# KiCad board ddr5-testboard.kicad_pcb (continued)
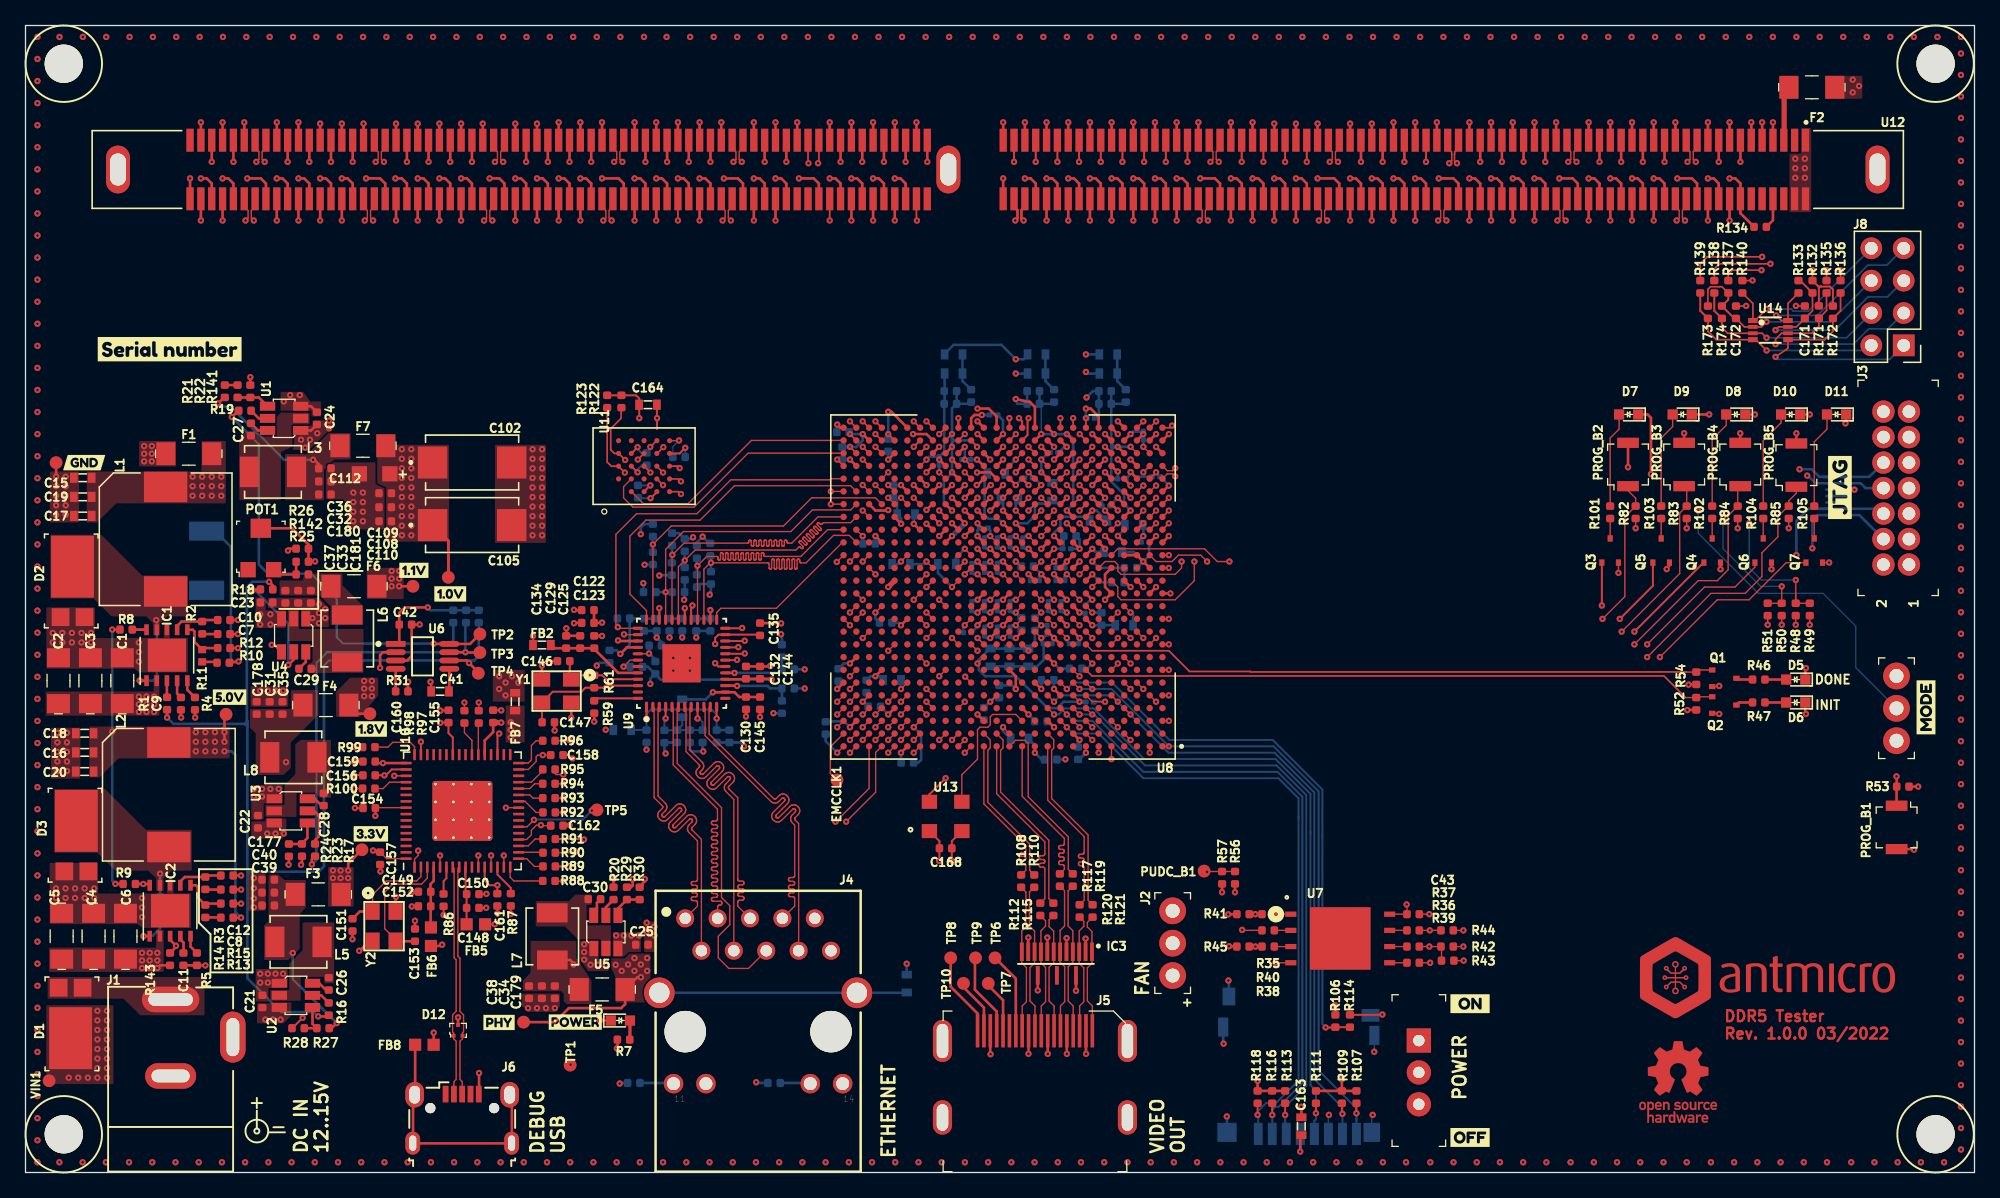
[diagram p0: board, top side]
## Routing (per net, layer and track width the routed paths; a pad name or vN(x,y) marks a point on that pad's centre or on a via; arc(x,y) is an arc through that point) (continued)
DQS1_B_N: length 61.5
  Top w0.1: v1(36.8,79.3) 37,79.5 37,80.09 36.7,80.38 U12.116
  Top w0.2: U8.Y16 v1(74.64,52.94)
  In7.Cu w0.102: v1(74.64,52.94) 75.02,53.33 75.02,57.82 64.2,68.64 37.95,68.64 37.01,69.58 37.01,76.26 37.01,76.29 37,76.32 36.98,76.34 36.96,76.36 36.93,76.38 36.9,76.39 36.87,76.39 36.59,76.39 36.51,76.4 36.44,76.43 36.37,76.47 36.32,76.52 36.28,76.59 36.25,76.66 36.24,76.74 36.24,76.78 36.25,76.86 36.28,76.93 36.32,76.99 36.37,77.05 36.44,77.09 36.51,77.11 36.59,77.12 36.87,77.12 36.9,77.13 36.93,77.14 36.96,77.15 36.98,77.18 37,77.2 37.01,77.23 37.01,77.26 37.01,79.09 v1(36.8,79.3)
DQS1_B_P: length 61.5
  Top w0.1: v1(37.45,79.3) 37.25,79.5 37.25,80.09 37.55,80.38 U12.115
  Top w0.2: U8.Y15 v1(75.64,52.94)
  In7.Cu w0.102: v1(37.45,79.3) 37.24,79.09 37.24,77.24 37.23,77.16 37.2,77.09 37.16,77.03 37.11,76.97 37.04,76.93 36.97,76.91 36.89,76.9 36.61,76.9 36.58,76.89 36.55,76.88 36.52,76.87 36.5,76.85 36.48,76.82 36.47,76.79 36.47,76.76 36.47,76.73 36.48,76.7 36.5,76.67 36.52,76.65 36.55,76.63 36.58,76.62 36.61,76.62 36.89,76.62 36.97,76.61 37.04,76.59 37.11,76.55 37.16,76.49 37.2,76.43 37.23,76.35 37.24,76.28 37.24,69.67 38.05,68.86 64.3,68.86 75.25,57.91 75.25,53.33 v1(75.64,52.94)
DQS2_A_N: length 66.6
  Top w0.114: U12.34 111.5,80.38 111.81,80.08 111.81,79.89 111.82,79.89 111.82,79.38 v1(111.62,79.19)
  Top w0.2: U8.AB5 v1(84.64,54.94)
  In7.Cu w0.102: v1(84.64,54.94) 85.02,54.55 108.64,54.55 110,55.9 110.01,55.92 110.02,55.94 110.02,55.97 110.02,55.99 110.02,56.01 110.01,56.03 110,56.05 109.94,56.1 109.93,56.12 109.92,56.14 109.92,56.16 109.92,56.18 109.92,56.2 109.93,56.23 109.94,56.24 109.96,56.26 109.98,56.27 110,56.27 110.03,56.27 110.05,56.27 110.07,56.26 110.09,56.24 110.14,56.19 110.16,56.18 110.18,56.17 110.2,56.16 110.22,56.16 110.24,56.17 110.26,56.18 110.28,56.19 111.81,57.72 111.81,69.75 111.81,69.77 111.8,69.79 111.79,69.8 111.78,69.82 111.76,69.83 111.74,69.83 111.72,69.84 111.59,69.84 111.53,69.84 111.47,69.86 111.41,69.9 111.36,69.95 111.33,70 111.31,70.06 111.3,70.13 111.3,70.2 111.31,70.26 111.33,70.32 111.36,70.38 111.41,70.43 111.47,70.46 111.53,70.48 111.59,70.49 112.24,70.49 112.26,70.49 112.28,70.5 112.29,70.51 112.31,70.52 112.32,70.54 112.32,70.56 112.32,70.58 112.32,70.61 112.32,70.63 112.32,70.64 112.31,70.66 112.29,70.68 112.28,70.69 112.26,70.69 112.24,70.69 111.59,70.69 111.53,70.7 111.47,70.72 111.41,70.76 111.36,70.81 111.33,70.86 111.31,70.92 111.3,70.99 111.3,71.05 111.31,71.12 111.33,71.18 111.36,71.24 111.41,71.29 111.47,71.32 111.53,71.34 111.59,71.35 112.24,71.35 112.26,71.35 112.28,71.36 112.29,71.37 112.31,71.38 112.32,71.4 112.32,71.42 112.32,71.44 112.32,71.47 112.32,71.49 112.32,71.5 112.31,71.52 112.29,71.53 112.28,71.54 112.26,71.55 112.24,71.55 111.59,71.55 111.53,71.56 111.47,71.58 111.41,71.62 111.36,71.66 111.33,71.72 111.31,71.78 111.3,71.85 111.3,71.91 111.31,71.98 111.33,72.04 111.36,72.1 111.41,72.14 111.47,72.18 111.53,72.2 111.59,72.21 112.24,72.21 112.26,72.21 112.28,72.22 112.29,72.23 112.31,72.24 112.32,72.26 112.32,72.28 112.32,72.29 112.32,72.32 112.32,72.34 112.32,72.36 112.31,72.38 112.29,72.39 112.28,72.4 112.26,72.41 112.24,72.41 111.59,72.41 111.53,72.42 111.47,72.44 111.41,72.48 111.36,72.52 111.33,72.58 111.31,72.64 111.3,72.71 111.3,72.77 111.31,72.84 111.33,72.9 111.36,72.96 111.41,73 111.47,73.04 111.53,73.06 111.59,73.07 112.24,73.07 112.26,73.07 112.28,73.08 112.29,73.09 112.31,73.1 112.32,73.12 112.32,73.13 112.32,73.15 112.32,73.18 112.32,73.2 112.32,73.22 112.31,73.24 112.29,73.25 112.28,73.26 112.26,73.27 112.24,73.27 111.59,73.27 111.53,73.28 111.47,73.3 111.41,73.33 111.36,73.38 111.33,73.44 111.31,73.5 111.3,73.56 111.3,73.63 111.31,73.7 111.33,73.76 111.36,73.81 111.41,73.86 111.47,73.9 111.53,73.92 111.59,73.92 111.72,73.92 111.74,73.93 111.76,73.93 111.78,73.94 111.79,73.96 111.8,73.97 111.81,73.99 111.81,74.01 111.81,75.6 111.82,75.67 111.84,75.74 111.88,75.79 111.93,75.84 111.99,75.88 112.05,75.9 112.12,75.91 112.29,75.91 112.31,75.91 112.33,75.92 112.35,75.93 112.37,75.95 112.38,75.97 112.39,75.99 112.39,76.01 112.39,76.04 112.38,76.06 112.37,76.08 112.35,76.09 112.33,76.1 112.31,76.11 112.29,76.11 111.54,76.11 111.47,76.12 111.41,76.14 111.35,76.18 111.3,76.23 111.26,76.29 111.24,76.35 111.23,76.42 111.23,76.46 111.24,76.53 111.26,76.59 111.3,76.65 111.35,76.7 111.41,76.74 111.47,76.76 111.54,76.77 112.29,76.77 112.31,76.77 112.33,76.78 112.35,76.79 112.37,76.81 112.38,76.83 112.39,76.85 112.39,76.87 112.39,76.89 112.38,76.92 112.37,76.93 112.35,76.95 112.33,76.96 112.31,76.97 112.29,76.97 111.54,76.97 111.47,76.98 111.41,77 111.35,77.04 111.3,77.09 111.26,77.15 111.24,77.21 111.23,77.28 111.23,77.32 111.24,77.39 111.26,77.45 111.3,77.51 111.35,77.56 111.41,77.6 111.47,77.62 111.54,77.63 112.29,77.63 112.31,77.63 112.33,77.64 112.35,77.65 112.37,77.67 112.38,77.69 112.39,77.71 112.39,77.73 112.39,77.75 112.38,77.77 112.37,77.79 112.35,77.81 112.33,77.82 112.31,77.83 112.29,77.83 111.54,77.83 111.47,77.84 111.41,77.86 111.35,77.9 111.3,77.95 111.26,78.01 111.24,78.07 111.23,78.14 111.23,78.18 111.24,78.25 111.26,78.31 111.3,78.37 111.35,78.42 111.41,78.46 111.47,78.48 111.54,78.49 111.71,78.49 111.73,78.49 111.75,78.5 111.77,78.51 111.79,78.52 111.8,78.54 111.81,78.57 111.81,78.59 111.81,79 v1(111.62,79.19)
DQS2_A_P: length 66.6
  Top w0.114: U12.33 112.35,80.38 112.04,80.08 112.04,79.89 112.03,79.89 112.03,79.38 v1(112.23,79.19)
  Top w0.2: U8.AA5 v1(84.64,53.94)
  In7.Cu w0.102: v1(112.23,79.19) 112.04,79 112.04,78.57 112.03,78.5 112.01,78.44 111.97,78.38 111.92,78.33 111.86,78.29 111.8,78.27 111.73,78.26 111.56,78.26 111.54,78.26 111.52,78.25 111.5,78.24 111.48,78.22 111.47,78.2 111.46,78.18 111.46,78.16 111.46,78.14 111.47,78.11 111.48,78.1 111.5,78.08 111.52,78.07 111.54,78.06 111.56,78.06 112.31,78.06 112.38,78.05 112.44,78.03 112.5,77.99 112.55,77.94 112.59,77.88 112.61,77.82 112.62,77.75 112.62,77.71 112.61,77.64 112.59,77.58 112.55,77.52 112.5,77.47 112.44,77.43 112.38,77.41 112.31,77.4 111.56,77.4 111.54,77.4 111.52,77.39 111.5,77.38 111.48,77.36 111.47,77.34 111.46,77.32 111.46,77.3 111.46,77.28 111.47,77.26 111.48,77.24 111.5,77.22 111.52,77.21 111.54,77.2 111.56,77.2 112.31,77.2 112.38,77.19 112.44,77.17 112.5,77.13 112.55,77.08 112.59,77.02 112.61,76.96 112.62,76.89 112.62,76.85 112.61,76.78 112.59,76.72 112.55,76.66 112.5,76.61 112.44,76.57 112.38,76.55 112.31,76.54 111.56,76.54 111.54,76.54 111.52,76.53 111.5,76.52 111.48,76.51 111.47,76.49 111.46,76.46 111.46,76.44 111.46,76.42 111.47,76.4 111.48,76.38 111.5,76.36 111.52,76.35 111.54,76.34 111.56,76.34 112.31,76.34 112.38,76.33 112.44,76.31 112.5,76.27 112.55,76.22 112.59,76.17 112.61,76.1 112.62,76.03 112.62,75.99 112.61,75.92 112.59,75.86 112.55,75.8 112.5,75.75 112.44,75.72 112.38,75.69 112.31,75.68 112.14,75.68 112.12,75.68 112.1,75.67 112.08,75.66 112.06,75.65 112.05,75.63 112.04,75.61 112.04,75.58 112.04,73.99 112.03,73.93 112.01,73.87 111.97,73.81 111.93,73.76 111.87,73.73 111.81,73.71 111.74,73.7 111.61,73.7 111.59,73.7 111.57,73.69 111.56,73.68 111.54,73.67 111.53,73.65 111.53,73.63 111.53,73.61 111.53,73.58 111.53,73.56 111.53,73.54 111.54,73.53 111.56,73.51 111.57,73.5 111.59,73.5 111.61,73.5 112.26,73.5 112.32,73.49 112.38,73.47 112.44,73.43 112.49,73.38 112.52,73.33 112.54,73.27 112.55,73.2 112.55,73.14 112.54,73.07 112.52,73.01 112.49,72.95 112.44,72.9 112.38,72.87 112.32,72.85 112.26,72.84 111.61,72.84 111.59,72.84 111.57,72.83 111.56,72.82 111.54,72.81 111.53,72.79 111.53,72.77 111.53,72.75 111.53,72.72 111.53,72.7 111.53,72.69 111.54,72.67 111.56,72.66 111.57,72.65 111.59,72.64 111.61,72.64 112.26,72.64 112.32,72.63 112.38,72.61 112.44,72.57 112.49,72.53 112.52,72.47 112.54,72.41 112.55,72.34 112.55,72.28 112.54,72.21 112.52,72.15 112.49,72.09 112.44,72.05 112.38,72.01 112.32,71.99 112.26,71.98 111.61,71.98 111.59,71.98 111.57,71.97 111.56,71.96 111.54,71.95 111.53,71.93 111.53,71.91 111.53,71.89 111.53,71.87 111.53,71.85 111.53,71.83 111.54,71.81 111.56,71.8 111.57,71.79 111.59,71.78 111.61,71.78 112.26,71.78 112.32,71.77 112.38,71.75 112.44,71.71 112.49,71.67 112.52,71.61 112.54,71.55 112.55,71.48 112.55,71.42 112.54,71.35 112.52,71.29 112.49,71.23 112.44,71.19 112.38,71.15 112.32,71.13 112.26,71.12 111.61,71.12 111.59,71.12 111.57,71.11 111.56,71.1 111.54,71.09 111.53,71.07 111.53,71.06 111.53,71.04 111.53,71.01 111.53,70.99 111.53,70.97 111.54,70.95 111.56,70.94 111.57,70.93 111.59,70.92 111.61,70.92 112.26,70.92 112.32,70.91 112.38,70.89 112.44,70.86 112.49,70.81 112.52,70.75 112.54,70.69 112.55,70.63 112.55,70.56 112.54,70.49 112.52,70.43 112.49,70.38 112.44,70.33 112.38,70.29 112.32,70.27 112.26,70.26 111.61,70.26 111.59,70.26 111.57,70.26 111.56,70.25 111.54,70.23 111.53,70.22 111.53,70.2 111.53,70.18 111.53,70.15 111.53,70.13 111.53,70.11 111.54,70.09 111.56,70.08 111.57,70.07 111.59,70.06 111.61,70.06 111.74,70.06 111.81,70.05 111.87,70.03 111.93,70 111.97,69.95 112.01,69.89 112.03,69.83 112.04,69.77 112.04,57.63 108.74,54.33 85.02,54.33 v1(84.64,53.94)
DQS2_B_N: length 73.2
  Top w0.1: v3(27.45,79.3) 27.65,79.5 27.65,80.09 27.35,80.38 U12.127
  Top w0.15: U8.AE20 v3(69.64,56.94)
  In5.Cu w0.102: v3(27.45,79.3) 27.66,79.09 27.66,78.56 27.66,78.54 27.65,78.52 27.64,78.51 27.63,78.49 27.61,78.48 27.59,78.48 27.57,78.47 27.44,78.47 27.38,78.47 27.32,78.45 27.26,78.41 27.21,78.36 27.18,78.31 27.16,78.25 27.15,78.18 27.15,78.11 27.16,78.05 27.18,77.99 27.21,77.93 27.26,77.88 27.32,77.85 27.38,77.83 27.44,77.82 28.09,77.82 28.11,77.82 28.13,77.81 28.14,77.8 28.16,77.79 28.17,77.77 28.17,77.75 28.18,77.73 28.18,77.7 28.17,77.68 28.17,77.67 28.16,77.65 28.14,77.64 28.13,77.63 28.11,77.62 28.09,77.62 27.44,77.62 27.38,77.61 27.32,77.59 27.26,77.55 27.21,77.51 27.18,77.45 27.16,77.39 27.15,77.32 27.15,77.26 27.16,77.19 27.18,77.13 27.21,77.07 27.26,77.03 27.32,76.99 27.38,76.97 27.44,76.96 28.09,76.96 28.11,76.96 28.13,76.95 28.14,76.94 28.16,76.93 28.17,76.91 28.17,76.89 28.18,76.87 28.18,76.84 28.17,76.83 28.17,76.81 28.16,76.79 28.14,76.78 28.13,76.77 28.11,76.76 28.09,76.76 27.44,76.76 27.38,76.75 27.32,76.73 27.26,76.69 27.21,76.65 27.18,76.59 27.16,76.53 27.15,76.46 27.15,76.4 27.16,76.33 27.18,76.27 27.21,76.21 27.26,76.17 27.32,76.13 27.38,76.11 27.44,76.1 27.57,76.1 27.59,76.1 27.61,76.09 27.63,76.08 27.64,76.07 27.65,76.05 27.66,76.04 27.66,76.02 27.66,73.76 27.66,73.73 27.65,73.7 27.63,73.68 27.61,73.65 27.58,73.64 27.55,73.63 27.52,73.62 27.24,73.62 27.17,73.61 27.09,73.59 27.03,73.55 26.97,73.49 26.93,73.43 26.91,73.36 26.9,73.28 26.9,73.24 26.91,73.16 26.93,73.09 26.97,73.02 27.03,72.97 27.09,72.93 27.17,72.9 27.24,72.89 27.52,72.89 27.55,72.89 27.58,72.88 27.61,72.86 27.63,72.84 27.65,72.82 27.66,72.79 27.66,72.76 27.66,72.72 27.65,72.7 27.63,72.67 27.61,72.65 27.58,72.63 27.55,72.62 27.52,72.62 27.24,72.62 27.17,72.61 27.09,72.58 27.03,72.54 26.97,72.49 26.93,72.42 26.91,72.35 26.9,72.27 26.9,72.23 26.91,72.15 26.93,72.08 26.97,72.02 27.03,71.96 27.09,71.92 27.17,71.9 27.24,71.89 27.52,71.89 27.55,71.88 27.58,71.87 27.61,71.86 27.63,71.84 27.65,71.81 27.66,71.78 27.66,71.75 27.66,71.72 27.65,71.69 27.63,71.66 27.61,71.64 27.58,71.62 27.55,71.61 27.52,71.61 27.24,71.61 27.17,71.6 27.09,71.58 27.03,71.54 26.97,71.48 26.93,71.42 26.91,71.34 26.9,71.27 26.9,71.22 26.91,71.15 26.93,71.08 26.97,71.01 27.03,70.96 27.09,70.92 27.17,70.89 27.24,70.88 27.52,70.88 27.55,70.88 27.58,70.87 27.61,70.85 27.63,70.83 27.65,70.8 27.66,70.77 27.66,70.74 27.66,63.93 28.45,63.14 67.7,63.14 70.02,60.82 70.02,57.33 v3(69.64,56.94)
DQS2_B_P: length 73.2
  Top w0.1: v3(28.1,79.3) 27.9,79.5 27.9,80.09 28.2,80.38 U12.126
  Top w0.15: U8.AD20 v3(70.64,56.94)
  In5.Cu w0.102: v3(70.64,56.94) 70.25,57.33 70.25,60.91 67.8,63.36 28.55,63.36 27.89,64.02 27.89,70.76 27.88,70.84 27.85,70.91 27.81,70.98 27.76,71.03 27.69,71.07 27.62,71.1 27.54,71.11 27.26,71.11 27.23,71.11 27.2,71.12 27.18,71.14 27.16,71.16 27.14,71.19 27.13,71.22 27.13,71.25 27.13,71.28 27.14,71.31 27.16,71.33 27.18,71.35 27.2,71.37 27.23,71.38 27.26,71.38 27.54,71.38 27.62,71.39 27.69,71.42 27.76,71.46 27.81,71.51 27.85,71.58 27.88,71.65 27.89,71.73 27.89,71.77 27.88,71.85 27.85,71.92 27.81,71.98 27.76,72.04 27.69,72.08 27.62,72.11 27.54,72.11 27.26,72.11 27.23,72.12 27.2,72.13 27.18,72.14 27.16,72.17 27.14,72.19 27.13,72.22 27.13,72.25 27.13,72.28 27.14,72.31 27.16,72.34 27.18,72.36 27.2,72.38 27.23,72.39 27.26,72.39 27.54,72.39 27.62,72.4 27.69,72.42 27.76,72.47 27.81,72.52 27.85,72.59 27.88,72.66 27.89,72.73 27.89,72.78 27.88,72.85 27.85,72.93 27.81,72.99 27.76,73.05 27.69,73.09 27.62,73.11 27.54,73.12 27.26,73.12 27.23,73.12 27.2,73.13 27.18,73.15 27.16,73.17 27.14,73.2 27.13,73.23 27.13,73.26 27.13,73.29 27.14,73.32 27.16,73.35 27.18,73.37 27.2,73.38 27.23,73.39 27.26,73.4 27.54,73.4 27.62,73.41 27.69,73.43 27.76,73.47 27.81,73.53 27.85,73.59 27.88,73.66 27.89,73.74 27.89,76.03 27.88,76.1 27.86,76.16 27.82,76.22 27.78,76.26 27.72,76.3 27.66,76.32 27.59,76.33 27.46,76.33 27.44,76.33 27.42,76.34 27.41,76.35 27.39,76.36 27.38,76.38 27.38,76.4 27.38,76.42 27.38,76.44 27.38,76.46 27.38,76.48 27.39,76.5 27.41,76.51 27.42,76.52 27.44,76.53 27.46,76.53 28.11,76.53 28.17,76.54 28.23,76.56 28.29,76.6 28.34,76.64 28.37,76.7 28.39,76.76 28.4,76.83 28.4,76.89 28.39,76.96 28.37,77.02 28.34,77.08 28.29,77.12 28.23,77.16 28.17,77.18 28.11,77.19 27.46,77.19 27.44,77.19 27.42,77.2 27.41,77.21 27.39,77.22 27.38,77.24 27.38,77.25 27.38,77.27 27.38,77.3 27.38,77.32 27.38,77.34 27.39,77.36 27.41,77.37 27.42,77.38 27.44,77.39 27.46,77.39 28.11,77.39 28.17,77.4 28.23,77.42 28.29,77.45 28.34,77.5 28.37,77.56 28.39,77.62 28.4,77.69 28.4,77.75 28.39,77.82 28.37,77.88 28.34,77.93 28.29,77.98 28.23,78.02 28.17,78.04 28.11,78.05 27.46,78.05 27.44,78.05 27.42,78.05 27.41,78.06 27.39,78.08 27.38,78.09 27.38,78.11 27.38,78.13 27.38,78.16 27.38,78.18 27.38,78.2 27.39,78.22 27.41,78.23 27.42,78.24 27.44,78.25 27.46,78.25 27.59,78.25 27.66,78.26 27.72,78.28 27.78,78.31 27.82,78.36 27.86,78.42 27.88,78.48 27.89,78.54 27.89,79.09 v3(28.1,79.3)
DQS3_A_N: length 53.5
  Top w0.1: U12.45 102.15,80.38 102.45,80.09 102.45,79.5 v4(102.25,79.3)
  Top w0.2: U8.AF4 v4(85.64,58.94)
  In2.Cu w0.102: v4(85.64,58.94) 86.02,58.55 86.14,58.55 87.2,59.61 90.8,59.61 91.3,59.11 101.2,59.11 101.69,59.6 101.7,59.62 101.72,59.64 101.72,59.67 101.72,59.7 101.72,59.73 101.7,59.75 101.69,59.78 101.66,59.81 101.64,59.83 101.63,59.85 101.62,59.88 101.62,59.91 101.63,59.94 101.64,59.96 101.66,59.99 101.68,60 101.7,60.02 101.73,60.02 101.76,60.02 101.79,60.02 101.81,60 101.84,59.99 101.87,59.95 101.89,59.94 101.91,59.92 101.94,59.92 101.97,59.92 102,59.92 102.02,59.94 102.05,59.95 102.46,60.37 102.46,70.49 102.46,70.51 102.45,70.53 102.44,70.55 102.43,70.56 102.41,70.57 102.39,70.58 102.38,70.58 102.24,70.58 102.18,70.59 102.12,70.61 102.06,70.64 102.01,70.69 101.98,70.75 101.96,70.81 101.95,70.87 101.95,70.94 101.96,71 101.98,71.07 102.01,71.12 102.06,71.17 102.12,71.2 102.18,71.23 102.24,71.23 102.89,71.23 102.91,71.24 102.93,71.24 102.94,71.25 102.96,71.27 102.97,71.28 102.97,71.3 102.97,71.32 102.97,71.35 102.97,71.37 102.97,71.39 102.96,71.4 102.94,71.42 102.93,71.43 102.91,71.44 102.89,71.44 102.24,71.44 102.18,71.44 102.12,71.47 102.06,71.5 102.01,71.55 101.98,71.6 101.96,71.67 101.95,71.73 101.95,71.8 101.96,71.86 101.98,71.93 102.01,71.98 102.06,72.03 102.12,72.06 102.18,72.09 102.24,72.09 102.89,72.09 102.91,72.09 102.93,72.1 102.94,72.11 102.96,72.13 102.97,72.14 102.97,72.16 102.97,72.18 102.97,72.21 102.97,72.23 102.97,72.25 102.96,72.26 102.94,72.28 102.93,72.29 102.91,72.29 102.89,72.3 102.24,72.3 102.18,72.3 102.12,72.32 102.06,72.36 102.01,72.41 101.98,72.46 101.96,72.53 101.95,72.59 101.95,72.66 101.96,72.72 101.98,72.78 102.01,72.84 102.06,72.89 102.12,72.92 102.18,72.94 102.24,72.95 102.38,72.95 102.39,72.95 102.41,72.96 102.43,72.97 102.44,72.98 102.45,73 102.46,73.02 102.46,73.04 102.46,74.99 102.47,75.06 102.49,75.13 102.53,75.19 102.58,75.23 102.64,75.27 102.7,75.29 102.77,75.3 103.04,75.3 103.06,75.3 103.08,75.31 103.1,75.32 103.12,75.34 103.13,75.36 103.14,75.38 103.14,75.4 103.14,75.43 103.13,75.45 103.12,75.47 103.1,75.48 103.08,75.5 103.06,75.5 103.04,75.51 102.1,75.51 102.03,75.51 101.96,75.54 101.9,75.57 101.85,75.62 101.82,75.68 101.79,75.75 101.79,75.81 101.79,75.85 101.79,75.92 101.82,75.99 101.85,76.04 101.9,76.09 101.96,76.13 102.03,76.15 102.1,76.16 103.04,76.16 103.06,76.16 103.08,76.17 103.1,76.18 103.12,76.2 103.13,76.22 103.14,76.24 103.14,76.26 103.14,76.29 103.13,76.31 103.12,76.33 103.1,76.34 103.08,76.35 103.06,76.36 103.04,76.36 102.1,76.36 102.03,76.37 101.96,76.39 101.9,76.43 101.85,76.48 101.82,76.54 101.79,76.6 101.79,76.67 101.79,76.71 101.79,76.78 101.82,76.84 101.85,76.9 101.9,76.95 101.96,76.99 102.03,77.01 102.1,77.02 103.04,77.02 103.06,77.02 103.08,77.03 103.1,77.04 103.12,77.06 103.13,77.08 103.14,77.1 103.14,77.12 103.14,77.14 103.13,77.17 103.12,77.18 103.1,77.2 103.08,77.21 103.06,77.22 103.04,77.22 102.1,77.22 102.03,77.23 101.96,77.25 101.9,77.29 101.85,77.34 101.82,77.4 101.79,77.46 101.79,77.53 101.79,77.57 101.79,77.64 101.82,77.7 101.85,77.76 101.9,77.81 101.96,77.85 102.03,77.87 102.1,77.88 103.04,77.88 103.06,77.88 103.08,77.89 103.1,77.9 103.12,77.92 103.13,77.94 103.14,77.96 103.14,77.98 103.14,78 103.13,78.02 103.12,78.04 103.1,78.06 103.08,78.07 103.06,78.08 103.04,78.08 102.1,78.08 102.03,78.09 101.96,78.11 101.9,78.15 101.85,78.2 101.82,78.26 101.79,78.32 101.79,78.39 101.79,78.43 101.79,78.5 101.82,78.56 101.85,78.62 101.9,78.67 101.96,78.71 102.03,78.73 102.1,78.74 102.36,78.74 102.38,78.74 102.4,78.75 102.42,78.76 102.44,78.77 102.45,78.79 102.46,78.82 102.46,78.84 102.46,79.09 v4(102.25,79.3)
DQS3_A_P: length 53.5
  Top w0.1: v4(102.9,79.3) 102.7,79.5 102.7,80.09 103,80.38 U12.44
  Top w0.2: U8.AF5 v4(85.64,57.94)
  In2.Cu w0.102: v4(85.64,57.94) 86.02,58.33 86.24,58.33 87.3,59.39 90.7,59.39 91.2,58.89 101.3,58.89 102.69,60.28 102.69,70.51 102.68,70.58 102.66,70.64 102.62,70.69 102.58,70.74 102.52,70.78 102.46,70.8 102.39,70.8 102.26,70.8 102.24,70.81 102.22,70.81 102.21,70.82 102.19,70.84 102.18,70.85 102.18,70.87 102.18,70.89 102.18,70.92 102.18,70.94 102.18,70.96 102.19,70.98 102.21,70.99 102.22,71 102.24,71.01 102.26,71.01 102.91,71.01 102.97,71.02 103.03,71.04 103.09,71.07 103.14,71.12 103.17,71.17 103.19,71.24 103.2,71.3 103.2,71.37 103.19,71.43 103.17,71.5 103.14,71.55 103.09,71.6 103.03,71.63 102.97,71.66 102.91,71.66 102.26,71.66 102.24,71.67 102.22,71.67 102.21,71.68 102.19,71.7 102.18,71.71 102.18,71.73 102.18,71.75 102.18,71.78 102.18,71.8 102.18,71.82 102.19,71.83 102.21,71.85 102.22,71.86 102.24,71.86 102.26,71.87 102.91,71.87 102.97,71.87 103.03,71.9 103.09,71.93 103.14,71.98 103.17,72.03 103.19,72.1 103.2,72.16 103.2,72.23 103.19,72.29 103.17,72.35 103.14,72.41 103.09,72.46 103.03,72.49 102.97,72.51 102.91,72.52 102.26,72.52 102.24,72.52 102.22,72.53 102.21,72.54 102.19,72.55 102.18,72.57 102.18,72.59 102.18,72.61 102.18,72.64 102.18,72.66 102.18,72.68 102.19,72.69 102.21,72.71 102.22,72.72 102.24,72.72 102.26,72.72 102.39,72.72 102.46,72.73 102.52,72.75 102.58,72.79 102.62,72.84 102.66,72.89 102.68,72.95 102.69,73.02 102.69,74.97 102.69,75 102.7,75.02 102.71,75.04 102.73,75.05 102.75,75.07 102.77,75.07 102.79,75.08 103.05,75.08 103.12,75.08 103.19,75.11 103.25,75.14 103.3,75.19 103.33,75.25 103.36,75.32 103.36,75.39 103.36,75.42 103.36,75.49 103.33,75.56 103.3,75.62 103.25,75.66 103.19,75.7 103.12,75.72 103.05,75.73 102.11,75.73 102.09,75.73 102.07,75.74 102.05,75.75 102.03,75.77 102.02,75.79 102.01,75.81 102.01,75.83 102.01,75.86 102.02,75.88 102.03,75.9 102.05,75.91 102.07,75.92 102.09,75.93 102.11,75.93 103.05,75.93 103.12,75.94 103.19,75.97 103.25,76 103.3,76.05 103.33,76.11 103.36,76.17 103.36,76.24 103.36,76.28 103.36,76.35 103.33,76.42 103.3,76.47 103.25,76.52 103.19,76.56 103.12,76.58 103.05,76.59 102.11,76.59 102.09,76.59 102.07,76.6 102.05,76.61 102.03,76.63 102.02,76.65 102.01,76.67 102.01,76.69 102.01,76.71 102.02,76.74 102.03,76.76 102.05,76.77 102.07,76.78 102.09,76.79 102.11,76.79 103.05,76.79 103.12,76.8 103.19,76.82 103.25,76.86 103.3,76.91 103.33,76.97 103.36,77.03 103.36,77.1 103.36,77.14 103.36,77.21 103.33,77.27 103.3,77.33 103.25,77.38 103.19,77.42 103.12,77.44 103.05,77.45 102.11,77.45 102.09,77.45 102.07,77.46 102.05,77.47 102.03,77.49 102.02,77.51 102.01,77.53 102.01,77.55 102.01,77.57 102.02,77.59 102.03,77.61 102.05,77.63 102.07,77.64 102.09,77.65 102.11,77.65 103.05,77.65 103.12,77.66 103.19,77.68 103.25,77.72 103.3,77.77 103.33,77.83 103.36,77.89 103.36,77.96 103.36,78 103.36,78.07 103.33,78.13 103.3,78.19 103.25,78.24 103.19,78.28 103.12,78.3 103.05,78.31 102.11,78.31 102.09,78.31 102.07,78.32 102.05,78.33 102.03,78.35 102.02,78.36 102.01,78.39 102.01,78.41 102.01,78.43 102.02,78.45 102.03,78.47 102.05,78.49 102.07,78.5 102.09,78.51 102.11,78.51 102.38,78.51 102.45,78.52 102.51,78.54 102.57,78.58 102.62,78.63 102.66,78.69 102.68,78.75 102.69,78.82 102.69,79.09 v4(102.9,79.3)
DQS3_B_N: length 77.3
  Top w0.1: v1(18.1,79.3) 18.3,79.5 18.3,80.09 18,80.38 U12.138
  Top w0.15: U8.W19 v1(71.64,50.94)
  In7.Cu w0.102: v1(71.64,50.94) 71.25,51.33 62.76,51.33 51.7,62.39 29.7,62.39 18.31,73.78 18.31,75.45 18.31,75.48 18.3,75.5 18.29,75.52 18.27,75.53 18.25,75.55 18.23,75.55 18.21,75.56 18.07,75.56 18,75.56 17.94,75.59 17.88,75.62 17.83,75.67 17.79,75.73 17.77,75.8 17.76,75.86 17.76,75.9 17.77,75.97 17.79,76.04 17.83,76.09 17.88,76.14 17.94,76.18 18,76.2 18.07,76.21 18.76,76.21 18.78,76.21 18.8,76.22 18.82,76.23 18.84,76.25 18.85,76.27 18.86,76.29 18.86,76.31 18.86,76.34 18.85,76.36 18.84,76.38 18.82,76.39 18.8,76.4 18.78,76.41 18.76,76.41 18.07,76.41 18,76.42 17.94,76.44 17.88,76.48 17.83,76.53 17.79,76.59 17.77,76.65 17.76,76.72 17.76,76.76 17.77,76.83 17.79,76.89 17.83,76.95 17.88,77 17.94,77.04 18,77.06 18.07,77.07 18.76,77.07 18.78,77.07 18.8,77.08 18.82,77.09 18.84,77.11 18.85,77.13 18.86,77.15 18.86,77.17 18.86,77.19 18.85,77.22 18.84,77.23 18.82,77.25 18.8,77.26 18.78,77.27 18.76,77.27 18.07,77.27 18,77.28 17.94,77.3 17.88,77.34 17.83,77.39 17.79,77.45 17.77,77.51 17.76,77.58 17.76,77.62 17.77,77.69 17.79,77.75 17.83,77.81 17.88,77.86 17.94,77.9 18,77.92 18.07,77.93 18.76,77.93 18.78,77.93 18.8,77.94 18.82,77.95 18.84,77.97 18.85,77.99 18.86,78.01 18.86,78.03 18.86,78.05 18.85,78.07 18.84,78.09 18.82,78.11 18.8,78.12 18.78,78.13 18.76,78.13 18.07,78.13 18,78.14 17.94,78.16 17.88,78.2 17.83,78.25 17.79,78.31 17.77,78.37 17.76,78.44 17.76,78.48 17.77,78.55 17.79,78.61 17.83,78.67 17.88,78.72 17.94,78.76 18,78.78 18.07,78.79 18.21,78.79 18.23,78.79 18.25,78.8 18.27,78.81 18.29,78.82 18.3,78.84 18.31,78.87 18.31,78.89 18.31,79.09 v1(18.1,79.3)
DQS3_B_P: length 77.3
  Top w0.1: v1(18.75,79.3) 18.55,79.5 18.55,80.09 18.85,80.38 U12.137
  Top w0.127: U8.W18 v1(71.64,51.94)
  In7.Cu w0.102: v1(71.64,51.94) 71.25,51.55 62.86,51.55 56.89,57.52 56.88,57.54 56.87,57.56 56.86,57.58 56.86,57.6 56.87,57.62 56.88,57.64 56.89,57.66 56.94,57.71 56.96,57.73 56.97,57.75 56.97,57.77 56.97,57.8 56.97,57.82 56.96,57.84 56.94,57.86 56.93,57.87 56.9,57.88 56.88,57.88 56.86,57.88 56.84,57.88 56.82,57.87 56.8,57.86 56.75,57.8 56.73,57.79 56.71,57.78 56.69,57.78 56.67,57.78 56.64,57.78 56.62,57.79 56.6,57.8 51.8,62.61 29.8,62.61 18.54,73.87 18.54,75.47 18.53,75.54 18.51,75.61 18.47,75.67 18.42,75.71 18.36,75.75 18.3,75.77 18.23,75.78 18.09,75.78 18.07,75.78 18.05,75.79 18.03,75.8 18.01,75.82 18,75.84 17.99,75.86 17.99,75.88 17.99,75.91 18,75.93 18.01,75.95 18.03,75.96 18.05,75.97 18.07,75.98 18.09,75.98 18.78,75.98 18.85,75.99 18.91,76.02 18.97,76.05 19.02,76.1 19.06,76.16 19.08,76.22 19.09,76.29 19.09,76.33 19.08,76.4 19.06,76.47 19.02,76.52 18.97,76.57 18.91,76.61 18.85,76.63 18.78,76.64 18.09,76.64 18.07,76.64 18.05,76.65 18.03,76.66 18.01,76.68 18,76.7 17.99,76.72 17.99,76.74 17.99,76.76 18,76.79 18.01,76.81 18.03,76.82 18.05,76.83 18.07,76.84 18.09,76.84 18.78,76.84 18.85,76.85 18.91,76.87 18.97,76.91 19.02,76.96 19.06,77.02 19.08,77.08 19.09,77.15 19.09,77.19 19.08,77.26 19.06,77.32 19.02,77.38 18.97,77.43 18.91,77.47 18.85,77.49 18.78,77.5 18.09,77.5 18.07,77.5 18.05,77.51 18.03,77.52 18.01,77.54 18,77.56 17.99,77.58 17.99,77.6 17.99,77.62 18,77.64 18.01,77.66 18.03,77.68 18.05,77.69 18.07,77.7 18.09,77.7 18.78,77.7 18.85,77.71 18.91,77.73 18.97,77.77 19.02,77.82 19.06,77.88 19.08,77.94 19.09,78.01 19.09,78.05 19.08,78.12 19.06,78.18 19.02,78.24 18.97,78.29 18.91,78.33 18.85,78.35 18.78,78.36 18.09,78.36 18.07,78.36 18.05,78.37 18.03,78.38 18.01,78.4 18,78.41 17.99,78.44 17.99,78.46 17.99,78.48 18,78.5 18.01,78.52 18.03,78.54 18.05,78.55 18.07,78.56 18.09,78.56 18.23,78.56 18.3,78.57 18.36,78.59 18.42,78.63 18.47,78.68 18.51,78.74 18.53,78.8 18.54,78.87 18.54,79.09 v1(18.75,79.3)
